# KiCad board rabbit_mask_capacitors.kicad_pcb (continued)
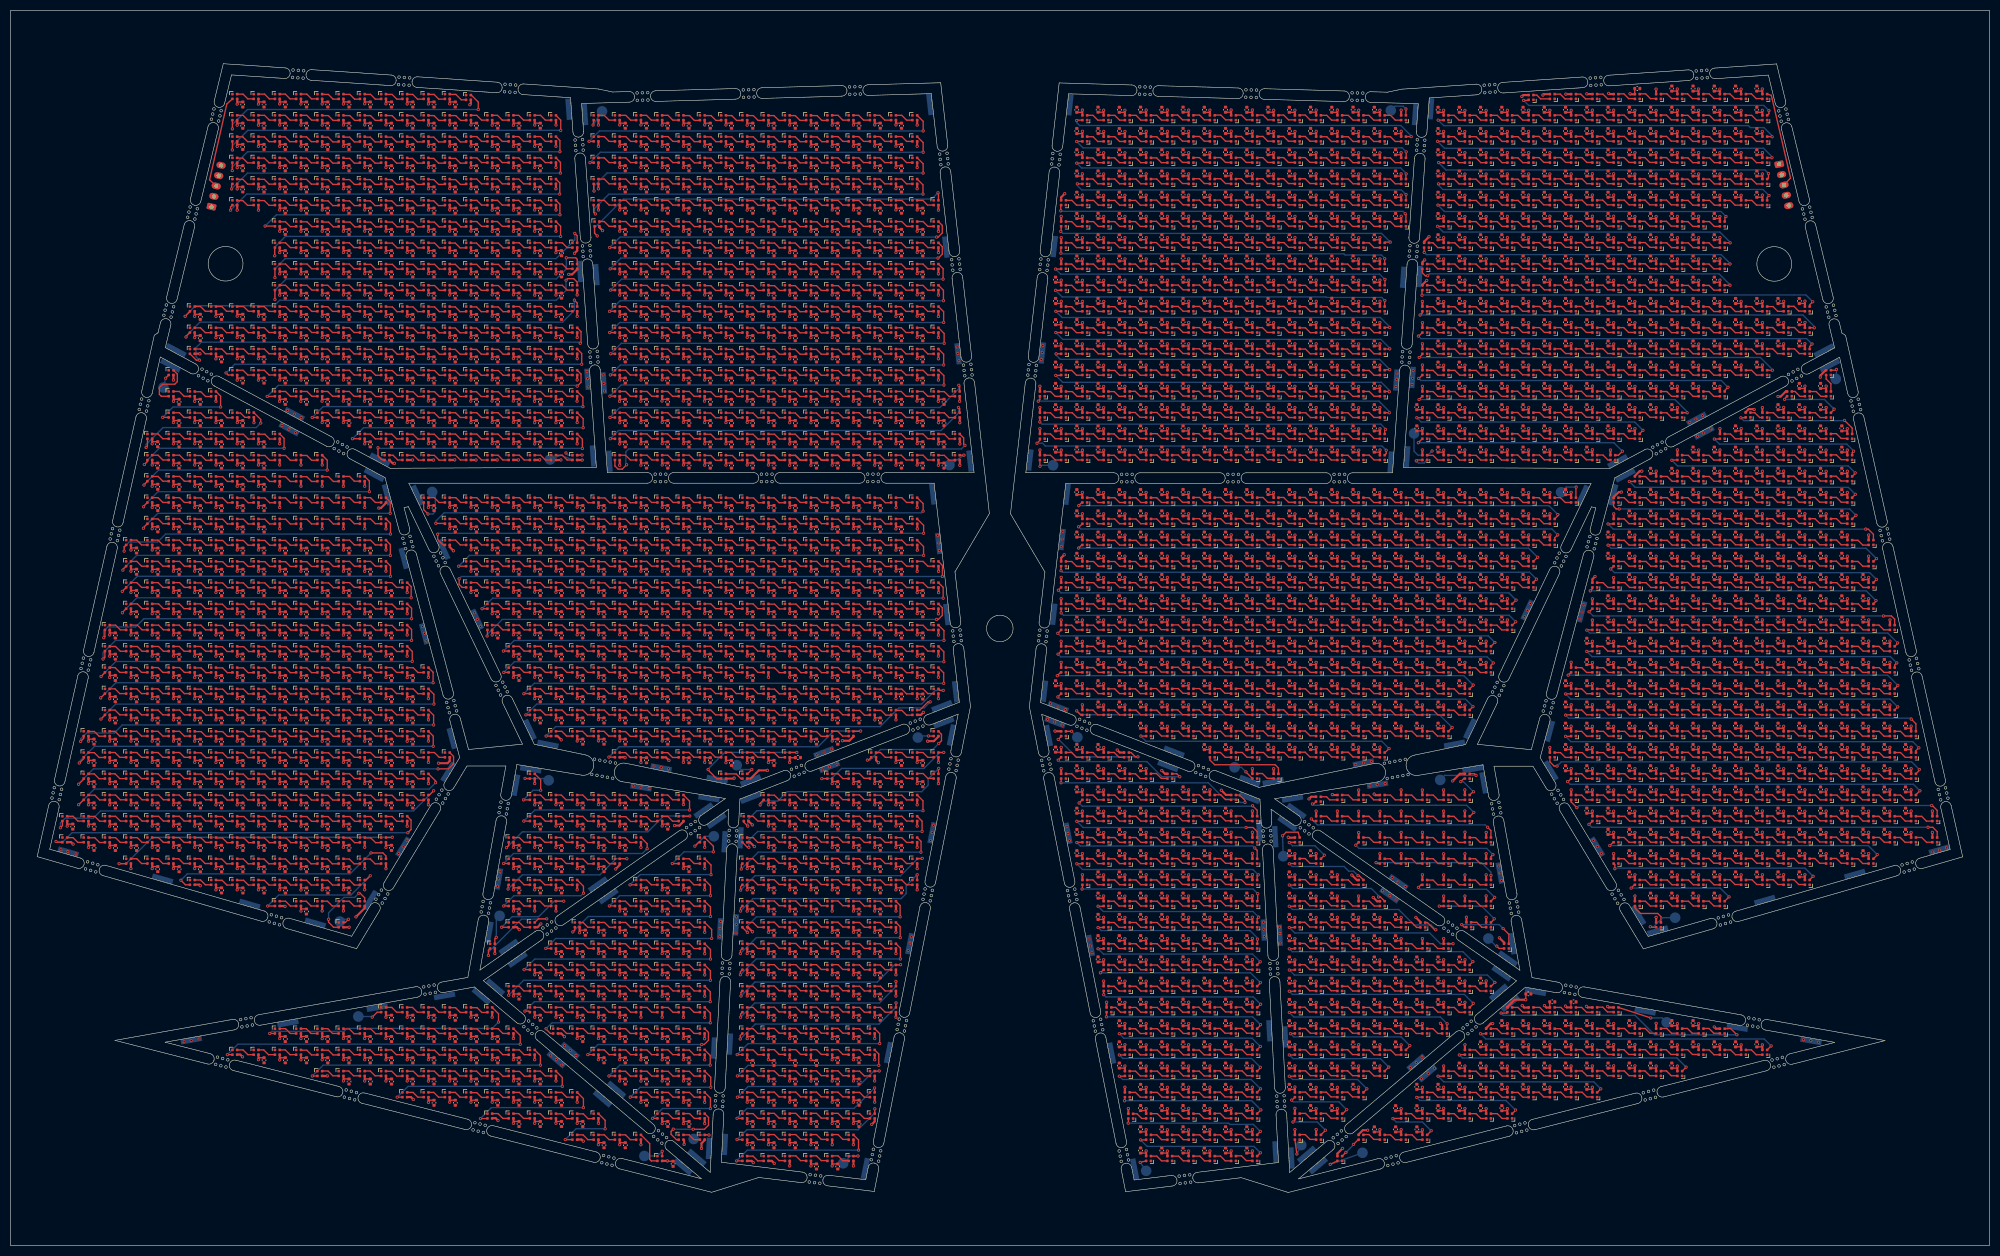
[diagram p0: board, top side]
## Placement (name value [footprint] x y rotation side) (continued)
D274  SK6812-1515  [LED_SK6812_EC15_1.5x1.5mm]  58.2 180.36 0 top
D275  SK6812-1515  [LED_SK6812_EC15_1.5x1.5mm]  62.2 180.36 0 top
D276  SK6812-1515  [LED_SK6812_EC15_1.5x1.5mm]  66.2 180.36 0 top
D277  SK6812-1515  [LED_SK6812_EC15_1.5x1.5mm]  70.2 180.36 0 top
D278  SK6812-1515  [LED_SK6812_EC15_1.5x1.5mm]  74.2 180.36 0 top
D279  SK6812-1515  [LED_SK6812_EC15_1.5x1.5mm]  78.2 180.36 0 top
D280  SK6812-1515  [LED_SK6812_EC15_1.5x1.5mm]  82.2 180.36 0 top
D281  SK6812-1515  [LED_SK6812_EC15_1.5x1.5mm]  86.2 180.36 0 top
D282  SK6812-1515  [LED_SK6812_EC15_1.5x1.5mm]  90.2 180.36 0 top
D283  SK6812-1515  [LED_SK6812_EC15_1.5x1.5mm]  94.2 180.36 0 top
D284  SK6812-1515  [LED_SK6812_EC15_1.5x1.5mm]  98.2 180.36 0 top
D285  SK6812-1515  [LED_SK6812_EC15_1.5x1.5mm]  102.2 180.36 0 top
D286  SK6812-1515  [LED_SK6812_EC15_1.5x1.5mm]  106.2 180.36 0 top
D287  SK6812-1515  [LED_SK6812_EC15_1.5x1.5mm]  114.2 180.36 0 top
D288  SK6812-1515  [LED_SK6812_EC15_1.5x1.5mm]  118.2 180.36 0 top
D289  SK6812-1515  [LED_SK6812_EC15_1.5x1.5mm]  122.2 180.36 0 top
D290  SK6812-1515  [LED_SK6812_EC15_1.5x1.5mm]  126.2 180.36 0 top
D291  SK6812-1515  [LED_SK6812_EC15_1.5x1.5mm]  130.2 180.36 0 top
D292  SK6812-1515  [LED_SK6812_EC15_1.5x1.5mm]  134.2 180.36 0 top
D293  SK6812-1515  [LED_SK6812_EC15_1.5x1.5mm]  138.2 180.36 0 top
D294  SK6812-1515  [LED_SK6812_EC15_1.5x1.5mm]  142.2 180.36 0 top
D295  SK6812-1515  [LED_SK6812_EC15_1.5x1.5mm]  146.2 180.36 0 top
D296  SK6812-1515  [LED_SK6812_EC15_1.5x1.5mm]  150.2 180.36 0 top
D297  SK6812-1515  [LED_SK6812_EC15_1.5x1.5mm]  154.2 180.36 0 top
D298  SK6812-1515  [LED_SK6812_EC15_1.5x1.5mm]  158.2 180.36 0 top
D299  SK6812-1515  [LED_SK6812_EC15_1.5x1.5mm]  162.2 180.36 0 top
D300  SK6812-1515  [LED_SK6812_EC15_1.5x1.5mm]  166.2 180.36 0 top
D301  SK6812-1515  [LED_SK6812_EC15_1.5x1.5mm]  170.2 180.36 0 top
D302  SK6812-1515  [LED_SK6812_EC15_1.5x1.5mm]  174.2 180.36 0 top
D303  SK6812-1515  [LED_SK6812_EC15_1.5x1.5mm]  34.2 176.36 0 top
D304  SK6812-1515  [LED_SK6812_EC15_1.5x1.5mm]  38.2 176.36 0 top
D305  SK6812-1515  [LED_SK6812_EC15_1.5x1.5mm]  42.2 176.36 0 top
D306  SK6812-1515  [LED_SK6812_EC15_1.5x1.5mm]  46.2 176.36 0 top
D307  SK6812-1515  [LED_SK6812_EC15_1.5x1.5mm]  50.2 176.36 0 top
D308  SK6812-1515  [LED_SK6812_EC15_1.5x1.5mm]  54.2 176.36 0 top
D309  SK6812-1515  [LED_SK6812_EC15_1.5x1.5mm]  58.2 176.36 0 top
D310  SK6812-1515  [LED_SK6812_EC15_1.5x1.5mm]  62.2 176.36 0 top
D311  SK6812-1515  [LED_SK6812_EC15_1.5x1.5mm]  66.2 176.36 0 top
D312  SK6812-1515  [LED_SK6812_EC15_1.5x1.5mm]  70.2 176.36 0 top
D313  SK6812-1515  [LED_SK6812_EC15_1.5x1.5mm]  74.2 176.36 0 top
D314  SK6812-1515  [LED_SK6812_EC15_1.5x1.5mm]  78.2 176.36 0 top
D315  SK6812-1515  [LED_SK6812_EC15_1.5x1.5mm]  82.2 176.36 0 top
D316  SK6812-1515  [LED_SK6812_EC15_1.5x1.5mm]  86.2 176.36 0 top
D317  SK6812-1515  [LED_SK6812_EC15_1.5x1.5mm]  90.2 176.36 0 top
D318  SK6812-1515  [LED_SK6812_EC15_1.5x1.5mm]  94.2 176.36 0 top
D319  SK6812-1515  [LED_SK6812_EC15_1.5x1.5mm]  98.2 176.36 0 top
D320  SK6812-1515  [LED_SK6812_EC15_1.5x1.5mm]  102.2 176.36 0 top
D321  SK6812-1515  [LED_SK6812_EC15_1.5x1.5mm]  106.2 176.36 0 top
D322  SK6812-1515  [LED_SK6812_EC15_1.5x1.5mm]  114.2 176.36 0 top
D323  SK6812-1515  [LED_SK6812_EC15_1.5x1.5mm]  118.2 176.36 0 top
D324  SK6812-1515  [LED_SK6812_EC15_1.5x1.5mm]  122.2 176.36 0 top
D325  SK6812-1515  [LED_SK6812_EC15_1.5x1.5mm]  126.2 176.36 0 top
D326  SK6812-1515  [LED_SK6812_EC15_1.5x1.5mm]  130.2 176.36 0 top
D327  SK6812-1515  [LED_SK6812_EC15_1.5x1.5mm]  134.2 176.36 0 top
D328  SK6812-1515  [LED_SK6812_EC15_1.5x1.5mm]  138.2 176.36 0 top
D329  SK6812-1515  [LED_SK6812_EC15_1.5x1.5mm]  142.2 176.36 0 top
D330  SK6812-1515  [LED_SK6812_EC15_1.5x1.5mm]  146.2 176.36 0 top
D331  SK6812-1515  [LED_SK6812_EC15_1.5x1.5mm]  150.2 176.36 0 top
D332  SK6812-1515  [LED_SK6812_EC15_1.5x1.5mm]  154.2 176.36 0 top
D333  SK6812-1515  [LED_SK6812_EC15_1.5x1.5mm]  158.2 176.36 0 top
D334  SK6812-1515  [LED_SK6812_EC15_1.5x1.5mm]  162.2 176.36 0 top
D335  SK6812-1515  [LED_SK6812_EC15_1.5x1.5mm]  166.2 176.36 0 top
D336  SK6812-1515  [LED_SK6812_EC15_1.5x1.5mm]  170.2 176.36 0 top
D337  SK6812-1515  [LED_SK6812_EC15_1.5x1.5mm]  174.2 176.36 0 top
D338  SK6812-1515  [LED_SK6812_EC15_1.5x1.5mm]  34.2 172.36 0 top
D339  SK6812-1515  [LED_SK6812_EC15_1.5x1.5mm]  38.2 172.36 0 top
D340  SK6812-1515  [LED_SK6812_EC15_1.5x1.5mm]  42.2 172.36 0 top
D341  SK6812-1515  [LED_SK6812_EC15_1.5x1.5mm]  46.2 172.36 0 top
D342  SK6812-1515  [LED_SK6812_EC15_1.5x1.5mm]  50.2 172.36 0 top
D343  SK6812-1515  [LED_SK6812_EC15_1.5x1.5mm]  54.2 172.36 0 top
D344  SK6812-1515  [LED_SK6812_EC15_1.5x1.5mm]  58.2 172.36 0 top
D345  SK6812-1515  [LED_SK6812_EC15_1.5x1.5mm]  62.2 172.36 0 top
D346  SK6812-1515  [LED_SK6812_EC15_1.5x1.5mm]  66.2 172.36 0 top
D347  SK6812-1515  [LED_SK6812_EC15_1.5x1.5mm]  70.2 172.36 0 top
D348  SK6812-1515  [LED_SK6812_EC15_1.5x1.5mm]  74.2 172.36 0 top
D349  SK6812-1515  [LED_SK6812_EC15_1.5x1.5mm]  78.2 172.36 0 top
D350  SK6812-1515  [LED_SK6812_EC15_1.5x1.5mm]  82.2 172.36 0 top
D351  SK6812-1515  [LED_SK6812_EC15_1.5x1.5mm]  86.2 172.36 0 top
D352  SK6812-1515  [LED_SK6812_EC15_1.5x1.5mm]  90.2 172.36 0 top
D353  SK6812-1515  [LED_SK6812_EC15_1.5x1.5mm]  94.2 172.36 0 top
D354  SK6812-1515  [LED_SK6812_EC15_1.5x1.5mm]  98.2 172.36 0 top
D355  SK6812-1515  [LED_SK6812_EC15_1.5x1.5mm]  102.2 172.36 0 top
D356  SK6812-1515  [LED_SK6812_EC15_1.5x1.5mm]  106.2 172.36 0 top
D357  SK6812-1515  [LED_SK6812_EC15_1.5x1.5mm]  114.2 172.36 0 top
D358  SK6812-1515  [LED_SK6812_EC15_1.5x1.5mm]  118.2 172.36 0 top
D359  SK6812-1515  [LED_SK6812_EC15_1.5x1.5mm]  122.2 172.36 0 top
D360  SK6812-1515  [LED_SK6812_EC15_1.5x1.5mm]  126.2 172.36 0 top
D361  SK6812-1515  [LED_SK6812_EC15_1.5x1.5mm]  130.2 172.36 0 top
D362  SK6812-1515  [LED_SK6812_EC15_1.5x1.5mm]  134.2 172.36 0 top
D363  SK6812-1515  [LED_SK6812_EC15_1.5x1.5mm]  138.2 172.36 0 top
D364  SK6812-1515  [LED_SK6812_EC15_1.5x1.5mm]  142.2 172.36 0 top
D365  SK6812-1515  [LED_SK6812_EC15_1.5x1.5mm]  146.2 172.36 0 top
D366  SK6812-1515  [LED_SK6812_EC15_1.5x1.5mm]  150.2 172.36 0 top
D367  SK6812-1515  [LED_SK6812_EC15_1.5x1.5mm]  154.2 172.36 0 top
D368  SK6812-1515  [LED_SK6812_EC15_1.5x1.5mm]  158.2 172.36 0 top
D369  SK6812-1515  [LED_SK6812_EC15_1.5x1.5mm]  162.2 172.36 0 top
D370  SK6812-1515  [LED_SK6812_EC15_1.5x1.5mm]  166.2 172.36 0 top
D371  SK6812-1515  [LED_SK6812_EC15_1.5x1.5mm]  170.2 172.36 0 top
D372  SK6812-1515  [LED_SK6812_EC15_1.5x1.5mm]  174.2 172.36 0 top
D373  SK6812-1515  [LED_SK6812_EC15_1.5x1.5mm]  34.2 168.36 0 top
D374  SK6812-1515  [LED_SK6812_EC15_1.5x1.5mm]  38.2 168.36 0 top
D375  SK6812-1515  [LED_SK6812_EC15_1.5x1.5mm]  42.2 168.36 0 top
D376  SK6812-1515  [LED_SK6812_EC15_1.5x1.5mm]  46.2 168.36 0 top
D377  SK6812-1515  [LED_SK6812_EC15_1.5x1.5mm]  50.2 168.36 0 top
D378  SK6812-1515  [LED_SK6812_EC15_1.5x1.5mm]  54.2 168.36 0 top
D379  SK6812-1515  [LED_SK6812_EC15_1.5x1.5mm]  58.2 168.36 0 top
D380  SK6812-1515  [LED_SK6812_EC15_1.5x1.5mm]  62.2 168.36 0 top
D381  SK6812-1515  [LED_SK6812_EC15_1.5x1.5mm]  66.2 168.36 0 top
D382  SK6812-1515  [LED_SK6812_EC15_1.5x1.5mm]  70.2 168.36 0 top
D383  SK6812-1515  [LED_SK6812_EC15_1.5x1.5mm]  74.2 168.36 0 top
D384  SK6812-1515  [LED_SK6812_EC15_1.5x1.5mm]  78.2 168.36 0 top
D385  SK6812-1515  [LED_SK6812_EC15_1.5x1.5mm]  82.2 168.36 0 top
D386  SK6812-1515  [LED_SK6812_EC15_1.5x1.5mm]  86.2 168.36 0 top
D387  SK6812-1515  [LED_SK6812_EC15_1.5x1.5mm]  90.2 168.36 0 top
D388  SK6812-1515  [LED_SK6812_EC15_1.5x1.5mm]  94.2 168.36 0 top
D389  SK6812-1515  [LED_SK6812_EC15_1.5x1.5mm]  98.2 168.36 0 top
D390  SK6812-1515  [LED_SK6812_EC15_1.5x1.5mm]  102.2 168.36 0 top
D391  SK6812-1515  [LED_SK6812_EC15_1.5x1.5mm]  106.2 168.36 0 top
D392  SK6812-1515  [LED_SK6812_EC15_1.5x1.5mm]  114.2 168.36 0 top
D393  SK6812-1515  [LED_SK6812_EC15_1.5x1.5mm]  118.2 168.36 0 top
D394  SK6812-1515  [LED_SK6812_EC15_1.5x1.5mm]  122.2 168.36 0 top
D395  SK6812-1515  [LED_SK6812_EC15_1.5x1.5mm]  126.2 168.36 0 top
D396  SK6812-1515  [LED_SK6812_EC15_1.5x1.5mm]  130.2 168.36 0 top
D397  SK6812-1515  [LED_SK6812_EC15_1.5x1.5mm]  134.2 168.36 0 top
D398  SK6812-1515  [LED_SK6812_EC15_1.5x1.5mm]  138.2 168.36 0 top
D399  SK6812-1515  [LED_SK6812_EC15_1.5x1.5mm]  142.2 168.36 0 top
D400  SK6812-1515  [LED_SK6812_EC15_1.5x1.5mm]  146.2 168.36 0 top
D401  SK6812-1515  [LED_SK6812_EC15_1.5x1.5mm]  150.2 168.36 0 top
D402  SK6812-1515  [LED_SK6812_EC15_1.5x1.5mm]  154.2 168.36 0 top
D403  SK6812-1515  [LED_SK6812_EC15_1.5x1.5mm]  158.2 168.36 0 top
D404  SK6812-1515  [LED_SK6812_EC15_1.5x1.5mm]  162.2 168.36 0 top
D405  SK6812-1515  [LED_SK6812_EC15_1.5x1.5mm]  166.2 168.36 0 top
D406  SK6812-1515  [LED_SK6812_EC15_1.5x1.5mm]  170.2 168.36 0 top
D407  SK6812-1515  [LED_SK6812_EC15_1.5x1.5mm]  174.2 168.36 0 top
D408  SK6812-1515  [LED_SK6812_EC15_1.5x1.5mm]  30.2 164.36 0 top
D409  SK6812-1515  [LED_SK6812_EC15_1.5x1.5mm]  42.2 164.36 0 top
D410  SK6812-1515  [LED_SK6812_EC15_1.5x1.5mm]  46.2 164.36 0 top
D411  SK6812-1515  [LED_SK6812_EC15_1.5x1.5mm]  50.2 164.36 0 top
D412  SK6812-1515  [LED_SK6812_EC15_1.5x1.5mm]  54.2 164.36 0 top
D413  SK6812-1515  [LED_SK6812_EC15_1.5x1.5mm]  58.2 164.36 0 top
D414  SK6812-1515  [LED_SK6812_EC15_1.5x1.5mm]  62.2 164.36 0 top
D415  SK6812-1515  [LED_SK6812_EC15_1.5x1.5mm]  66.2 164.36 0 top
D416  SK6812-1515  [LED_SK6812_EC15_1.5x1.5mm]  70.2 164.36 0 top
D417  SK6812-1515  [LED_SK6812_EC15_1.5x1.5mm]  74.2 164.36 0 top
D418  SK6812-1515  [LED_SK6812_EC15_1.5x1.5mm]  78.2 164.36 0 top
D419  SK6812-1515  [LED_SK6812_EC15_1.5x1.5mm]  82.2 164.36 0 top
D420  SK6812-1515  [LED_SK6812_EC15_1.5x1.5mm]  86.2 164.36 0 top
D421  SK6812-1515  [LED_SK6812_EC15_1.5x1.5mm]  90.2 164.36 0 top
D422  SK6812-1515  [LED_SK6812_EC15_1.5x1.5mm]  94.2 164.36 0 top
D423  SK6812-1515  [LED_SK6812_EC15_1.5x1.5mm]  98.2 164.36 0 top
D424  SK6812-1515  [LED_SK6812_EC15_1.5x1.5mm]  102.2 164.36 0 top
D425  SK6812-1515  [LED_SK6812_EC15_1.5x1.5mm]  106.2 164.36 0 top
D426  SK6812-1515  [LED_SK6812_EC15_1.5x1.5mm]  114.2 164.36 0 top
D427  SK6812-1515  [LED_SK6812_EC15_1.5x1.5mm]  118.2 164.36 0 top
D428  SK6812-1515  [LED_SK6812_EC15_1.5x1.5mm]  122.2 164.36 0 top
D429  SK6812-1515  [LED_SK6812_EC15_1.5x1.5mm]  126.2 164.36 0 top
D430  SK6812-1515  [LED_SK6812_EC15_1.5x1.5mm]  130.2 164.36 0 top
D431  SK6812-1515  [LED_SK6812_EC15_1.5x1.5mm]  134.2 164.36 0 top
D432  SK6812-1515  [LED_SK6812_EC15_1.5x1.5mm]  138.2 164.36 0 top
D433  SK6812-1515  [LED_SK6812_EC15_1.5x1.5mm]  142.2 164.36 0 top
D434  SK6812-1515  [LED_SK6812_EC15_1.5x1.5mm]  146.2 164.36 0 top
D435  SK6812-1515  [LED_SK6812_EC15_1.5x1.5mm]  150.2 164.36 0 top
D436  SK6812-1515  [LED_SK6812_EC15_1.5x1.5mm]  154.2 164.36 0 top
D437  SK6812-1515  [LED_SK6812_EC15_1.5x1.5mm]  158.2 164.36 0 top
D438  SK6812-1515  [LED_SK6812_EC15_1.5x1.5mm]  162.2 164.36 0 top
D439  SK6812-1515  [LED_SK6812_EC15_1.5x1.5mm]  166.2 164.36 0 top
D440  SK6812-1515  [LED_SK6812_EC15_1.5x1.5mm]  170.2 164.36 0 top
D441  SK6812-1515  [LED_SK6812_EC15_1.5x1.5mm]  174.2 164.36 0 top
D442  SK6812-1515  [LED_SK6812_EC15_1.5x1.5mm]  30.2 160.36 0 top
D443  SK6812-1515  [LED_SK6812_EC15_1.5x1.5mm]  34.2 160.36 0 top
D444  SK6812-1515  [LED_SK6812_EC15_1.5x1.5mm]  38.2 160.36 0 top
D445  SK6812-1515  [LED_SK6812_EC15_1.5x1.5mm]  50.2 160.36 0 top
D446  SK6812-1515  [LED_SK6812_EC15_1.5x1.5mm]  54.2 160.36 0 top
D447  SK6812-1515  [LED_SK6812_EC15_1.5x1.5mm]  58.2 160.36 0 top
D448  SK6812-1515  [LED_SK6812_EC15_1.5x1.5mm]  62.2 160.36 0 top
D449  SK6812-1515  [LED_SK6812_EC15_1.5x1.5mm]  66.2 160.36 0 top
D450  SK6812-1515  [LED_SK6812_EC15_1.5x1.5mm]  70.2 160.36 0 top
D451  SK6812-1515  [LED_SK6812_EC15_1.5x1.5mm]  74.2 160.36 0 top
D452  SK6812-1515  [LED_SK6812_EC15_1.5x1.5mm]  78.2 160.36 0 top
D453  SK6812-1515  [LED_SK6812_EC15_1.5x1.5mm]  82.2 160.36 0 top
D454  SK6812-1515  [LED_SK6812_EC15_1.5x1.5mm]  86.2 160.36 0 top
D455  SK6812-1515  [LED_SK6812_EC15_1.5x1.5mm]  90.2 160.36 0 top
D456  SK6812-1515  [LED_SK6812_EC15_1.5x1.5mm]  94.2 160.36 0 top
D457  SK6812-1515  [LED_SK6812_EC15_1.5x1.5mm]  98.2 160.36 0 top
D458  SK6812-1515  [LED_SK6812_EC15_1.5x1.5mm]  102.2 160.36 0 top
D459  SK6812-1515  [LED_SK6812_EC15_1.5x1.5mm]  106.2 160.36 0 top
D460  SK6812-1515  [LED_SK6812_EC15_1.5x1.5mm]  114.2 160.36 0 top
D461  SK6812-1515  [LED_SK6812_EC15_1.5x1.5mm]  118.2 160.36 0 top
D462  SK6812-1515  [LED_SK6812_EC15_1.5x1.5mm]  122.2 160.36 0 top
D463  SK6812-1515  [LED_SK6812_EC15_1.5x1.5mm]  126.2 160.36 0 top
D464  SK6812-1515  [LED_SK6812_EC15_1.5x1.5mm]  130.2 160.36 0 top
D465  SK6812-1515  [LED_SK6812_EC15_1.5x1.5mm]  134.2 160.36 0 top
D466  SK6812-1515  [LED_SK6812_EC15_1.5x1.5mm]  138.2 160.36 0 top
D467  SK6812-1515  [LED_SK6812_EC15_1.5x1.5mm]  142.2 160.36 0 top
D468  SK6812-1515  [LED_SK6812_EC15_1.5x1.5mm]  146.2 160.36 0 top
D469  SK6812-1515  [LED_SK6812_EC15_1.5x1.5mm]  150.2 160.36 0 top
D470  SK6812-1515  [LED_SK6812_EC15_1.5x1.5mm]  154.2 160.36 0 top
D471  SK6812-1515  [LED_SK6812_EC15_1.5x1.5mm]  158.2 160.36 0 top
D472  SK6812-1515  [LED_SK6812_EC15_1.5x1.5mm]  162.2 160.36 0 top
D473  SK6812-1515  [LED_SK6812_EC15_1.5x1.5mm]  166.2 160.36 0 top
D474  SK6812-1515  [LED_SK6812_EC15_1.5x1.5mm]  170.2 160.36 0 top
D475  SK6812-1515  [LED_SK6812_EC15_1.5x1.5mm]  174.2 160.36 0 top
D476  SK6812-1515  [LED_SK6812_EC15_1.5x1.5mm]  178.2 160.36 0 top
D477  SK6812-1515  [LED_SK6812_EC15_1.5x1.5mm]  30.2 156.36 0 top
D478  SK6812-1515  [LED_SK6812_EC15_1.5x1.5mm]  34.2 156.36 0 top
D479  SK6812-1515  [LED_SK6812_EC15_1.5x1.5mm]  38.2 156.36 0 top
D480  SK6812-1515  [LED_SK6812_EC15_1.5x1.5mm]  42.2 156.36 0 top
D481  SK6812-1515  [LED_SK6812_EC15_1.5x1.5mm]  45.33 156.39 0 top
D482  SK6812-1515  [LED_SK6812_EC15_1.5x1.5mm]  58.2 156.36 0 top
D483  SK6812-1515  [LED_SK6812_EC15_1.5x1.5mm]  62.2 156.36 0 top
D484  SK6812-1515  [LED_SK6812_EC15_1.5x1.5mm]  66.2 156.36 0 top
D485  SK6812-1515  [LED_SK6812_EC15_1.5x1.5mm]  70.2 156.36 0 top
D486  SK6812-1515  [LED_SK6812_EC15_1.5x1.5mm]  74.2 156.36 0 top
D487  SK6812-1515  [LED_SK6812_EC15_1.5x1.5mm]  78.2 156.36 0 top
D488  SK6812-1515  [LED_SK6812_EC15_1.5x1.5mm]  82.2 156.36 0 top
D489  SK6812-1515  [LED_SK6812_EC15_1.5x1.5mm]  86.2 156.36 0 top
D490  SK6812-1515  [LED_SK6812_EC15_1.5x1.5mm]  90.2 156.36 0 top
D491  SK6812-1515  [LED_SK6812_EC15_1.5x1.5mm]  94.2 156.36 0 top
D492  SK6812-1515  [LED_SK6812_EC15_1.5x1.5mm]  98.2 156.36 0 top
D493  SK6812-1515  [LED_SK6812_EC15_1.5x1.5mm]  102.2 156.36 0 top
D494  SK6812-1515  [LED_SK6812_EC15_1.5x1.5mm]  106.2 156.36 0 top
D495  SK6812-1515  [LED_SK6812_EC15_1.5x1.5mm]  114.2 156.36 0 top
D496  SK6812-1515  [LED_SK6812_EC15_1.5x1.5mm]  118.2 156.36 0 top
D497  SK6812-1515  [LED_SK6812_EC15_1.5x1.5mm]  122.2 156.36 0 top
D498  SK6812-1515  [LED_SK6812_EC15_1.5x1.5mm]  126.2 156.36 0 top
D499  SK6812-1515  [LED_SK6812_EC15_1.5x1.5mm]  130.2 156.36 0 top
D500  SK6812-1515  [LED_SK6812_EC15_1.5x1.5mm]  134.2 156.36 0 top
D501  SK6812-1515  [LED_SK6812_EC15_1.5x1.5mm]  138.2 156.36 0 top
D502  SK6812-1515  [LED_SK6812_EC15_1.5x1.5mm]  142.2 156.36 0 top
D503  SK6812-1515  [LED_SK6812_EC15_1.5x1.5mm]  146.2 156.36 0 top
D504  SK6812-1515  [LED_SK6812_EC15_1.5x1.5mm]  150.2 156.36 0 top
D505  SK6812-1515  [LED_SK6812_EC15_1.5x1.5mm]  154.2 156.36 0 top
D506  SK6812-1515  [LED_SK6812_EC15_1.5x1.5mm]  158.2 156.36 0 top
D507  SK6812-1515  [LED_SK6812_EC15_1.5x1.5mm]  162.2 156.36 0 top
D508  SK6812-1515  [LED_SK6812_EC15_1.5x1.5mm]  166.2 156.36 0 top
D509  SK6812-1515  [LED_SK6812_EC15_1.5x1.5mm]  170.2 156.36 0 top
D510  SK6812-1515  [LED_SK6812_EC15_1.5x1.5mm]  174.2 156.36 0 top
D511  SK6812-1515  [LED_SK6812_EC15_1.5x1.5mm]  178.2 156.36 0 top
D512  SK6812-1515  [LED_SK6812_EC15_1.5x1.5mm]  26.2 152.36 0 top
D513  SK6812-1515  [LED_SK6812_EC15_1.5x1.5mm]  30.2 152.36 0 top
D514  SK6812-1515  [LED_SK6812_EC15_1.5x1.5mm]  34.2 152.36 0 top
D515  SK6812-1515  [LED_SK6812_EC15_1.5x1.5mm]  38.2 152.36 0 top
D516  SK6812-1515  [LED_SK6812_EC15_1.5x1.5mm]  42.2 152.36 0 top
D517  SK6812-1515  [LED_SK6812_EC15_1.5x1.5mm]  46.2 152.36 0 top
D518  SK6812-1515  [LED_SK6812_EC15_1.5x1.5mm]  50.2 152.36 0 top
D519  SK6812-1515  [LED_SK6812_EC15_1.5x1.5mm]  66.2 152.36 0 top
D520  SK6812-1515  [LED_SK6812_EC15_1.5x1.5mm]  70.2 152.36 0 top
D521  SK6812-1515  [LED_SK6812_EC15_1.5x1.5mm]  74.2 152.36 0 top
D522  SK6812-1515  [LED_SK6812_EC15_1.5x1.5mm]  78.2 152.36 0 top
D523  SK6812-1515  [LED_SK6812_EC15_1.5x1.5mm]  82.2 152.36 0 top
D524  SK6812-1515  [LED_SK6812_EC15_1.5x1.5mm]  86.2 152.36 0 top
D525  SK6812-1515  [LED_SK6812_EC15_1.5x1.5mm]  90.2 152.36 0 top
D526  SK6812-1515  [LED_SK6812_EC15_1.5x1.5mm]  94.2 152.36 0 top
D527  SK6812-1515  [LED_SK6812_EC15_1.5x1.5mm]  98.2 152.36 0 top
D528  SK6812-1515  [LED_SK6812_EC15_1.5x1.5mm]  102.2 152.36 0 top
D529  SK6812-1515  [LED_SK6812_EC15_1.5x1.5mm]  106.2 152.36 0 top
D530  SK6812-1515  [LED_SK6812_EC15_1.5x1.5mm]  114.2 152.36 0 top
D531  SK6812-1515  [LED_SK6812_EC15_1.5x1.5mm]  118.2 152.36 0 top
D532  SK6812-1515  [LED_SK6812_EC15_1.5x1.5mm]  122.2 152.36 0 top
D533  SK6812-1515  [LED_SK6812_EC15_1.5x1.5mm]  126.2 152.36 0 top
D534  SK6812-1515  [LED_SK6812_EC15_1.5x1.5mm]  130.2 152.36 0 top
D535  SK6812-1515  [LED_SK6812_EC15_1.5x1.5mm]  134.2 152.36 0 top
D536  SK6812-1515  [LED_SK6812_EC15_1.5x1.5mm]  138.2 152.36 0 top
D537  SK6812-1515  [LED_SK6812_EC15_1.5x1.5mm]  142.2 152.36 0 top
D538  SK6812-1515  [LED_SK6812_EC15_1.5x1.5mm]  146.2 152.36 0 top
D539  SK6812-1515  [LED_SK6812_EC15_1.5x1.5mm]  150.2 152.36 0 top
D540  SK6812-1515  [LED_SK6812_EC15_1.5x1.5mm]  154.2 152.36 0 top
D541  SK6812-1515  [LED_SK6812_EC15_1.5x1.5mm]  158.2 152.36 0 top
D542  SK6812-1515  [LED_SK6812_EC15_1.5x1.5mm]  162.2 152.36 0 top
D543  SK6812-1515  [LED_SK6812_EC15_1.5x1.5mm]  166.2 152.36 0 top
D544  SK6812-1515  [LED_SK6812_EC15_1.5x1.5mm]  170.2 152.36 0 top
D545  SK6812-1515  [LED_SK6812_EC15_1.5x1.5mm]  174.2 152.36 0 top
D546  SK6812-1515  [LED_SK6812_EC15_1.5x1.5mm]  178.2 152.36 0 top
D547  SK6812-1515  [LED_SK6812_EC15_1.5x1.5mm]  26.2 148.36 0 top
D548  SK6812-1515  [LED_SK6812_EC15_1.5x1.5mm]  30.2 148.36 0 top
D549  SK6812-1515  [LED_SK6812_EC15_1.5x1.5mm]  34.2 148.36 0 top
D550  SK6812-1515  [LED_SK6812_EC15_1.5x1.5mm]  38.2 148.36 0 top
D551  SK6812-1515  [LED_SK6812_EC15_1.5x1.5mm]  42.2 148.36 0 top
D552  SK6812-1515  [LED_SK6812_EC15_1.5x1.5mm]  46.2 148.36 0 top
D553  SK6812-1515  [LED_SK6812_EC15_1.5x1.5mm]  50.2 148.36 0 top
D554  SK6812-1515  [LED_SK6812_EC15_1.5x1.5mm]  54.2 148.36 0 top
D555  SK6812-1515  [LED_SK6812_EC15_1.5x1.5mm]  58.2 148.36 0 top
D556  SK6812-1515  [LED_SK6812_EC15_1.5x1.5mm]  70.85 148.36 0 top
D557  SK6812-1515  [LED_SK6812_EC15_1.5x1.5mm]  74.2 148.36 0 top
D558  SK6812-1515  [LED_SK6812_EC15_1.5x1.5mm]  78.2 148.36 0 top
D559  SK6812-1515  [LED_SK6812_EC15_1.5x1.5mm]  82.2 148.36 0 top
D560  SK6812-1515  [LED_SK6812_EC15_1.5x1.5mm]  86.2 148.36 0 top
D561  SK6812-1515  [LED_SK6812_EC15_1.5x1.5mm]  90.2 148.36 0 top
D562  SK6812-1515  [LED_SK6812_EC15_1.5x1.5mm]  94.2 148.36 0 top
D563  SK6812-1515  [LED_SK6812_EC15_1.5x1.5mm]  98.2 148.36 0 top
D564  SK6812-1515  [LED_SK6812_EC15_1.5x1.5mm]  102.2 148.36 0 top
D565  SK6812-1515  [LED_SK6812_EC15_1.5x1.5mm]  106.2 148.36 0 top
D566  SK6812-1515  [LED_SK6812_EC15_1.5x1.5mm]  114.2 148.36 0 top
D567  SK6812-1515  [LED_SK6812_EC15_1.5x1.5mm]  118.2 148.36 0 top
D568  SK6812-1515  [LED_SK6812_EC15_1.5x1.5mm]  122.2 148.36 0 top
D569  SK6812-1515  [LED_SK6812_EC15_1.5x1.5mm]  126.2 148.36 0 top
D570  SK6812-1515  [LED_SK6812_EC15_1.5x1.5mm]  130.2 148.36 0 top
D571  SK6812-1515  [LED_SK6812_EC15_1.5x1.5mm]  134.2 148.36 0 top
D572  SK6812-1515  [LED_SK6812_EC15_1.5x1.5mm]  138.2 148.36 0 top
D573  SK6812-1515  [LED_SK6812_EC15_1.5x1.5mm]  142.2 148.36 0 top
D574  SK6812-1515  [LED_SK6812_EC15_1.5x1.5mm]  146.2 148.36 0 top
D575  SK6812-1515  [LED_SK6812_EC15_1.5x1.5mm]  150.2 148.36 0 top
D576  SK6812-1515  [LED_SK6812_EC15_1.5x1.5mm]  154.2 148.36 0 top
D577  SK6812-1515  [LED_SK6812_EC15_1.5x1.5mm]  158.2 148.36 0 top
D578  SK6812-1515  [LED_SK6812_EC15_1.5x1.5mm]  162.2 148.36 0 top
D579  SK6812-1515  [LED_SK6812_EC15_1.5x1.5mm]  166.2 148.36 0 top
D580  SK6812-1515  [LED_SK6812_EC15_1.5x1.5mm]  170.2 148.36 0 top
D581  SK6812-1515  [LED_SK6812_EC15_1.5x1.5mm]  174.2 148.36 0 top
D582  SK6812-1515  [LED_SK6812_EC15_1.5x1.5mm]  178.2 148.36 0 top
D583  SK6812-1515  [LED_SK6812_EC15_1.5x1.5mm]  26.2 144.36 0 top
D584  SK6812-1515  [LED_SK6812_EC15_1.5x1.5mm]  30.2 144.36 0 top
D585  SK6812-1515  [LED_SK6812_EC15_1.5x1.5mm]  34.2 144.36 0 top
D586  SK6812-1515  [LED_SK6812_EC15_1.5x1.5mm]  38.2 144.36 0 top
D587  SK6812-1515  [LED_SK6812_EC15_1.5x1.5mm]  42.2 144.36 0 top
D588  SK6812-1515  [LED_SK6812_EC15_1.5x1.5mm]  46.2 144.36 0 top
D589  SK6812-1515  [LED_SK6812_EC15_1.5x1.5mm]  50.2 144.36 0 top
D590  SK6812-1515  [LED_SK6812_EC15_1.5x1.5mm]  54.2 144.36 0 top
D591  SK6812-1515  [LED_SK6812_EC15_1.5x1.5mm]  58.2 144.36 0 top
D592  SK6812-1515  [LED_SK6812_EC15_1.5x1.5mm]  62.2 144.36 0 top
D593  SK6812-1515  [LED_SK6812_EC15_1.5x1.5mm]  66.2 144.36 0 top
D594  SK6812-1515  [LED_SK6812_EC15_1.5x1.5mm]  26.2 140.36 0 top
D595  SK6812-1515  [LED_SK6812_EC15_1.5x1.5mm]  30.2 140.36 0 top
D596  SK6812-1515  [LED_SK6812_EC15_1.5x1.5mm]  34.2 140.36 0 top
D597  SK6812-1515  [LED_SK6812_EC15_1.5x1.5mm]  38.2 140.36 0 top
D598  SK6812-1515  [LED_SK6812_EC15_1.5x1.5mm]  42.2 140.36 0 top
D599  SK6812-1515  [LED_SK6812_EC15_1.5x1.5mm]  46.2 140.36 0 top
D600  SK6812-1515  [LED_SK6812_EC15_1.5x1.5mm]  50.2 140.36 0 top
D601  SK6812-1515  [LED_SK6812_EC15_1.5x1.5mm]  54.2 140.36 0 top
D602  SK6812-1515  [LED_SK6812_EC15_1.5x1.5mm]  58.2 140.36 0 top
D603  SK6812-1515  [LED_SK6812_EC15_1.5x1.5mm]  62.2 140.36 0 top
D604  SK6812-1515  [LED_SK6812_EC15_1.5x1.5mm]  66.2 140.36 0 top
D605  SK6812-1515  [LED_SK6812_EC15_1.5x1.5mm]  70.2 140.36 0 top
D606  SK6812-1515  [LED_SK6812_EC15_1.5x1.5mm]  78.2 140.36 0 top
D607  SK6812-1515  [LED_SK6812_EC15_1.5x1.5mm]  82.2 140.36 0 top
D608  SK6812-1515  [LED_SK6812_EC15_1.5x1.5mm]  86.2 140.36 0 top
D609  SK6812-1515  [LED_SK6812_EC15_1.5x1.5mm]  90.2 140.36 0 top
D610  SK6812-1515  [LED_SK6812_EC15_1.5x1.5mm]  94.2 140.36 0 top
D611  SK6812-1515  [LED_SK6812_EC15_1.5x1.5mm]  98.2 140.36 0 top
D612  SK6812-1515  [LED_SK6812_EC15_1.5x1.5mm]  102.2 140.36 0 top
D613  SK6812-1515  [LED_SK6812_EC15_1.5x1.5mm]  106.2 140.36 0 top
D614  SK6812-1515  [LED_SK6812_EC15_1.5x1.5mm]  110.2 140.36 0 top
D615  SK6812-1515  [LED_SK6812_EC15_1.5x1.5mm]  114.2 140.36 0 top
D616  SK6812-1515  [LED_SK6812_EC15_1.5x1.5mm]  118.2 140.36 0 top
D617  SK6812-1515  [LED_SK6812_EC15_1.5x1.5mm]  122.2 140.36 0 top
D618  SK6812-1515  [LED_SK6812_EC15_1.5x1.5mm]  126.2 140.36 0 top
D619  SK6812-1515  [LED_SK6812_EC15_1.5x1.5mm]  130.2 140.36 0 top
D620  SK6812-1515  [LED_SK6812_EC15_1.5x1.5mm]  134.2 140.36 0 top
D621  SK6812-1515  [LED_SK6812_EC15_1.5x1.5mm]  138.2 140.36 0 top
D622  SK6812-1515  [LED_SK6812_EC15_1.5x1.5mm]  142.2 140.36 0 top
D623  SK6812-1515  [LED_SK6812_EC15_1.5x1.5mm]  146.2 140.36 0 top
D624  SK6812-1515  [LED_SK6812_EC15_1.5x1.5mm]  150.2 140.36 0 top
D625  SK6812-1515  [LED_SK6812_EC15_1.5x1.5mm]  154.2 140.36 0 top
D626  SK6812-1515  [LED_SK6812_EC15_1.5x1.5mm]  158.2 140.36 0 top
D627  SK6812-1515  [LED_SK6812_EC15_1.5x1.5mm]  162.2 140.36 0 top
D628  SK6812-1515  [LED_SK6812_EC15_1.5x1.5mm]  166.2 140.36 0 top
D629  SK6812-1515  [LED_SK6812_EC15_1.5x1.5mm]  170.2 140.36 0 top
D630  SK6812-1515  [LED_SK6812_EC15_1.5x1.5mm]  26.2 136.36 0 top
D631  SK6812-1515  [LED_SK6812_EC15_1.5x1.5mm]  30.2 136.36 0 top
D632  SK6812-1515  [LED_SK6812_EC15_1.5x1.5mm]  34.2 136.36 0 top
D633  SK6812-1515  [LED_SK6812_EC15_1.5x1.5mm]  38.2 136.36 0 top
D634  SK6812-1515  [LED_SK6812_EC15_1.5x1.5mm]  42.2 136.36 0 top
D635  SK6812-1515  [LED_SK6812_EC15_1.5x1.5mm]  46.2 136.36 0 top
D636  SK6812-1515  [LED_SK6812_EC15_1.5x1.5mm]  50.2 136.36 0 top
D637  SK6812-1515  [LED_SK6812_EC15_1.5x1.5mm]  54.2 136.36 0 top
D638  SK6812-1515  [LED_SK6812_EC15_1.5x1.5mm]  58.2 136.36 0 top
D639  SK6812-1515  [LED_SK6812_EC15_1.5x1.5mm]  62.2 136.36 0 top
D640  SK6812-1515  [LED_SK6812_EC15_1.5x1.5mm]  66.2 136.36 0 top
D641  SK6812-1515  [LED_SK6812_EC15_1.5x1.5mm]  70.2 136.36 0 top
D642  SK6812-1515  [LED_SK6812_EC15_1.5x1.5mm]  82.2 136.36 0 top
D643  SK6812-1515  [LED_SK6812_EC15_1.5x1.5mm]  86.2 136.36 0 top
D644  SK6812-1515  [LED_SK6812_EC15_1.5x1.5mm]  90.2 136.36 0 top
D645  SK6812-1515  [LED_SK6812_EC15_1.5x1.5mm]  94.2 136.36 0 top
D646  SK6812-1515  [LED_SK6812_EC15_1.5x1.5mm]  98.2 136.36 0 top
D647  SK6812-1515  [LED_SK6812_EC15_1.5x1.5mm]  102.2 136.36 0 top
D648  SK6812-1515  [LED_SK6812_EC15_1.5x1.5mm]  106.2 136.36 0 top
